# Altium PCB USBC_PD_Development_PCB.PcbDoc (part 2 of 3) (continued)
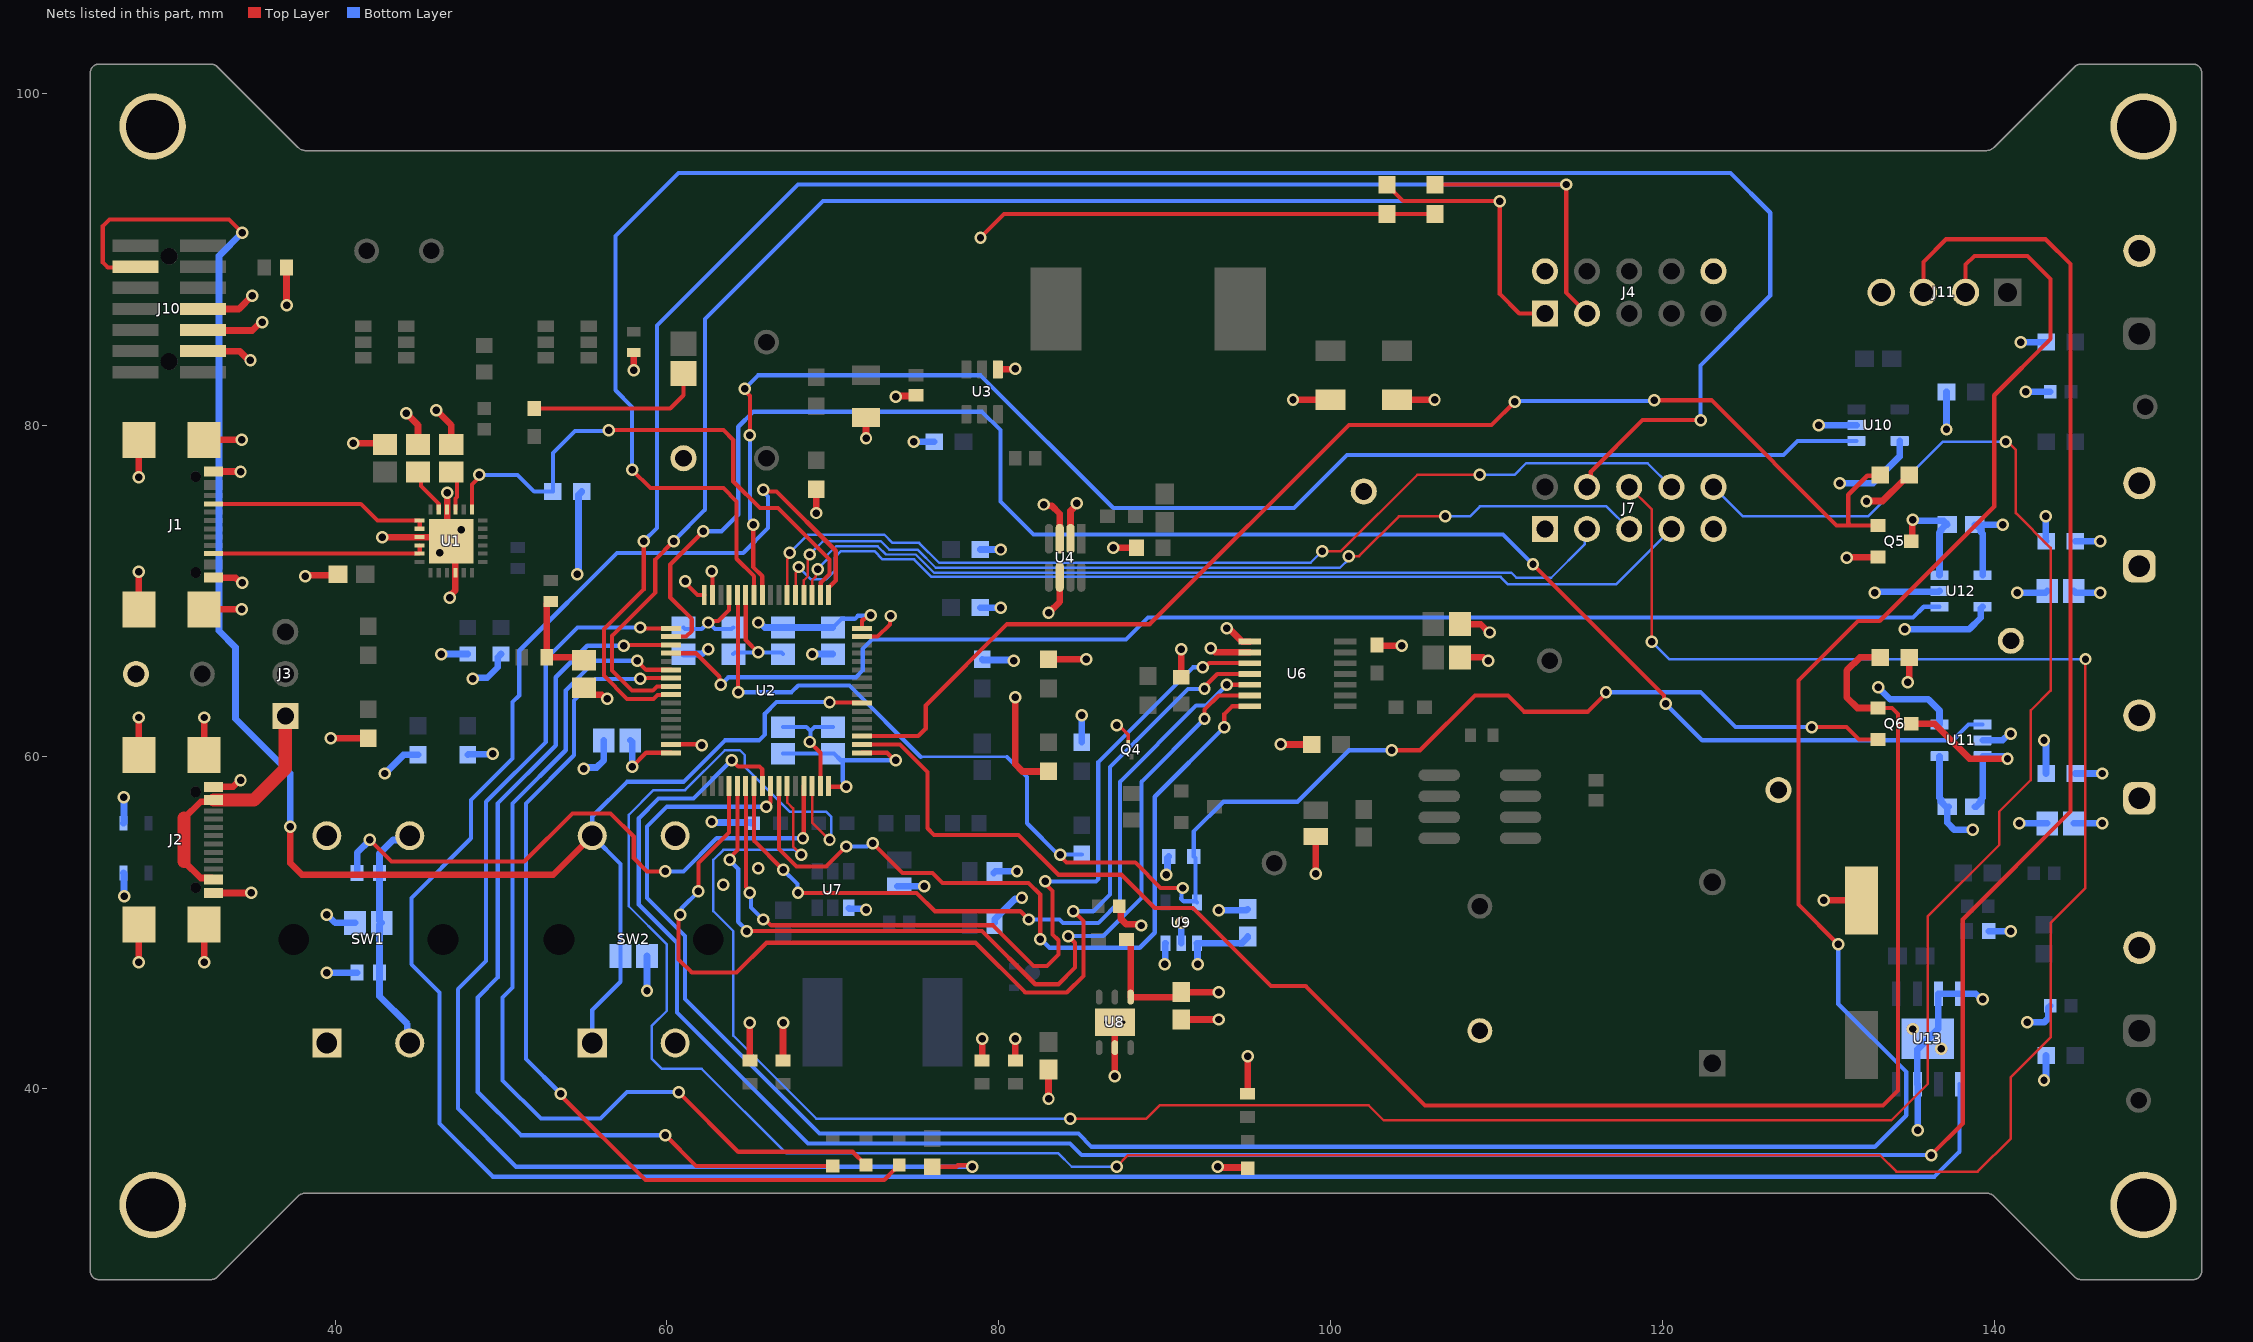
[diagram p4: the nets of this part, all layers, seen from the top]
## Part data (continued)
U4: library part CMP-09083-000073-1, "IC DGT POT 50KOHM 256TAP SOT23-8", Case/Package=SOT-23, Frequency=400kHz, Max Operating Temperature=125°C, Max Supply Current=3uA, Max Supply Voltage=5.5V, Min Operating Temperature=-40°C, Min Supply Voltage=2.7V, Package Quantity=3000, Resistance=50kR, Resistance Tolerance=30%, Temperature Coefficient=35ppm/°C, -3db Bandwidth=1.2MHz, Contact Plating=Gold, Interface=I2C, Lead Free="Contains Lead", Memory Type=Volatile, Mount="Surface Mount", Nominal Supply Current=3uA, Number of Circuits=1, Number of Elements=1, Number of Pins=8, Number of Positions=256, Number of Taps=256, Operating Supply Current=3uA, Operating Supply Voltage=5.5V, Packaging="Tape and Reel", Quiescent Current=3uA, Radiation Hardening=No, REACH SVHC="No SVHC", RoHS Compliant=Yes, Series=-, Supply Current=3uA, Taper=Linear, Tolerance=30%
U5: library part CMP-0241-00013-1, "DC/DC converter control circuit, 8-Pin SO, Tape and Reel", Code_IPC=SOIC127P600-8, Code_JEDEC=MS-012-AA, ComponentLink1Description="Manufacturer URL", ComponentLink1URL=http://www.st.com, ComponentLink2Description=Datasheet, ComponentLink2URL=http://www.st.com/internet/com/TECHNICAL_RESOURCES/TECHNICAL_LITERATURE/DATASHEET/CD00001232.pdf, ComponentLink3Description="Package Specification", ComponentLink3URL=http://www.st.com/internet/com/TECHNICAL_RESOURCES/TECHNICAL_LITERATURE/PACKAGE_INFORMATION/CD00004680.pdf, DatasheetVersion=Nov-2007, PackageDescription="8-Pin Small Outline Integrated Circuit 1.27 mm Pitch", PackageReference=SO8, PackageVersion=Dec-2002
U6: "256-/1024-Position, Digital Potentiometers with Maximum Â±1% R-Tolerance Error and 20-TP Memory", Manufacturer_Name="Analog Devices Inc", Copyright="Copyright (C) 2026 Ultra Librarian. All rights reserved.", Datasheet=https://www.analog.com/media/en/technical-documentation/data-sheets/AD5291_5292.pdf, Manufacturer_Part_Number=AD5292BRUZ-50-RL7, RefDes=RefDes, Type="Data Acquisition"
U7: library part CMP-12757-000010-1, "IC REG BUCK ADJUSTABLE 2A TSOT26", Ambient Temperature Range High=+85°C, Ambient Temperature Range Low=-40°C, Manufacturer="Diodes Inc.", Max Junction Temp=+160°C, Max Supply Voltage=32V, Min Supply Voltage=3.8V, Nominal Supply Current=22uA, Output Current=2A, Package=TSOT26, Switching Frequency=500kHz, Temperature="-40°C to +85°C", Automotive=No, Category=IC, ComponentLink2Description=Datasheet, ComponentLink2URL=https://www.diodes.com/assets/Datasheets/AP63200-AP63201-AP63203-AP63205.pdf, Device Class L1="Integrated Circuits (ICs)", Device Class L2="Power Management ICs", Device Class L3="Voltage Regulators - Switching", Digikey Description="IC REG BUCK ADJUSTABLE 2A TSOT26", Footprint Url=https://www.diodes.com/assets/Package-Files/TSOT26.pdf, Height=1mm, Ipc Land Pattern Name=SOT95P280X100-6, Lead Free=Yes, Manufacturer Part Number=AP63200WU-7, Mouser Description="AP63200 Series 1.2 V 2 A Adjustable Synchronous Buck Converter - TSOT-26", Number Of Outputs=1, Octopart=https://octopart.com/ap63200wu-7-diodes+inc.-98099548, Output Type=AdjustableProgrammable, RoHS=TRUE, Standoff Height=0.01mm, Switching Topology=Buck, Temperature Range High=+85°C, Temperature Range Low=-40°C
U8: library part CMP-0244-00287-1, "1 A Low Quiescent Current Low Noise Voltage Regulator, Adjustable from 0.8V, 6-Pin VFDFPN, Tape and Reel", ComponentLink1Description="Manufacturer URL", ComponentLink1URL=http://www.st.com, ComponentLink2Description=Datasheet, ComponentLink2URL=http://www.st.com/internet/com/TECHNICAL_RESOURCES/TECHNICAL_LITERATURE/DATASHEET/CD00233788.pdf, DatasheetVersion=1/10/2011, PackageDescription="6-Pin Plastic, Dual LLP, 3 x 3 mm Body, 0.95 mm Pitch, Exposed Pad", PackageReference=DFN6D, PackageVersion=2008
U9: library part CMP-0786-00375-1, "Ultralow Noise, 150 mA CMOS Linear Regulator, 2.2 to 5.5 V Vin, 2.5 V Vout, Industrial, 5-pin SOT23 (UJ-5), Reel", Manufacturer="Analog Devices", Preset Vout Values (V)=2.5, Supply Current IGND @ Small Load=10uA, Code_JEDEC=MO-193-AB, ComponentLink1Description="Manufacturer URL", ComponentLink1URL=http://www.analog.com/en/index.html, ComponentLink2Description=Datasheet, ComponentLink2URL=http://www.analog.com/static/imported-files/data_sheets/ADP150.pdf, ComponentLink3Description="Package Specification", ComponentLink3URL=http:/www.analog.com/static/imported-files/packages/PKG_PDF/TSOT(UJ)/UJ_5.pdf, ComponentLink4Description="URL Link1", ComponentLink4URL="Product URL:http://www.analog.com/en/ADP150/productSearch.html", DatasheetVersion="Rev. A", Iout max=150mA, Mounting Technology="Surface Mount", PackageDescription="5-Pin Thin Small Outline Transistor Package, Body 2.9 x 1.6 mm, Pitch 0.95 mm", PackageReference=UJ-5, PackageVersion="100708-A, 10/2008", Packing=Reel, PartNumber=ADP150AUJZ-2.5-R7, Vin (max) (V)=5.5, Vin (min) (V)=2.2
U10 U11 U12: library part CMP-04895-000287-1, "IC CURR SENSE 1 CIRCUIT SOT23-5", Case/Package=SOT-23-5, Input Bias Current=100nA, Input Offset Voltage (Vos)=100uV, Max Operating Temperature=125°C, Min Operating Temperature=-40°C, Operating Supply Current=260uA, -3db Bandwidth=350kHz, Mount="Surface Mount", Number of Circuits=1, Packaging="Tape and Reel", RoHS Compliant=Yes, Slew Rate=2V/µs
U13: "-20V to +75V Input Range, Precision Uni-/Bidirectional, Current-Sense Amplifiers", Manufacturer_Name="Analog Devices / Maxim Integrated", Copyright="Copyright (C) 2026 Ultra Librarian. All rights reserved.", Manufacturer_Part_Number=MAX9919NASA+T, RefDes=RefDes, Type=Type

## Via types
v1: diameter 0.75, hole 0.45, Top Layer to Bottom Layer, tented both sides, 301 vias
v2: diameter 0.5, hole 0.2, Top Layer to Bottom Layer, 2 vias
v3: diameter 0.75, hole 0.45, Top Layer to Bottom Layer, tented bottom, 2 vias

## Nets (pads, with @x,y where several pads share a name; then routed paths per layer and width w, separated by ;. In a path a pad name is that pad's centre, name@x,y a point inside that pad or via, vN(x,y) a via of type N, cw(c..) or ccw(c..) an arc to the next point about the centre after c; other vN are vias at no path point)
1V2_CTRLR: C4.1 U1.21 | length 2.5
  Top Layer w0.25: C4.1@47,77.175 47.35,76.825 47.35,75.672 47.25,75.572 U1.21@47.25,74.9
2V5_EXT_EN: Q6.1 R41.1 U2.2 | length 104
  Top Layer w0.25: U2.2@71.75,60.75 74.05,60.75 75.7,59.1 75.7,55.7 76.1,55.3 81.2,55.3 83.6,52.9 87.4,52.9 89.4,50.9 91.7,50.9 96.4,46.2 98.5,46.2 105.7,39 133.3,39 134.2,39.9 134.2,62.578 133.828,62.95 Q6.1@133,62.95
  Top Layer w0.4: Q6.1@133,62.95 131.75,62.95 131.1,63.6 131.1,65.2 131.9,66 R41.1@133.123,66
2V7_CTRLR: C5.1 U1.23 | length 2.8
  Top Layer w0.25: C5.1@45,77.175 45.179,76.996 45.179,76.321 46.25,75.25 U1.23@46.25,74.9
3V3_EXT_EN: Q5.1 R40.1 U2.3 | length 77.9
  Top Layer w0.25: U2.3@71.75,61.25 75.15,61.25 75.6,61.7 75.6,63.1 80.5,68 89.1,68 101.1,80 109.7,80 v1(111.1,81.4) ; v1(119.5,81.5) 122.95,81.5 130.5,73.95 131.346,73.95 ; Q5.1@133,73.95 131.346,73.95 ; R40.1@133.123,77 133.068,76.945 132.345,76.945 131.2,75.8 131.2,74.096 131.346,73.95
  Bottom Layer w0.25: v1(111.1,81.4) 111.15,81.45 119.45,81.45 v1(119.5,81.5)
+2v5: C34.1 Q6.2 R49.2 U2.28 U9.5 | length 93.6
  Top Layer w0.25: U2.28@64.25,69.75 64.275,69.725 64.275,63.925 v1(64.3,63.9) ; v1(83.7,54.1) 83.7,54.005 84.079,53.626 88.231,53.626 89.757,52.1 v1(91.1,52.1) ; v1(103.7,60.4) 105.4,60.4 108.7,63.7 110.689,63.7 111.664,62.725 115.504,62.725 116.6,63.821 v1(116.6,63.9) ; v1(129,61.8) 131.1,61.8 131.85,61.05 Q6.2@133,61.05
  Bottom Layer w0.15: 75.3,60 80.5,60
  Bottom Layer w0.25: v1(64.3,63.9) 67.518,63.9 67.918,64.3 71,64.3 75.3,60 ; 80.5,60 81.7,58.8 81.7,56 83.577,54.123 v1@83.7,54.123 ; v1(83.7,54.1) 83.723,54.123 R49.2@85,54.123 ; v1(91.1,52.1) 91.004,52.004 91.004,51.511 91,51.507 91,51.446 91.146,51.3 91.875,51.3 U9.5@91.95,51.225 ; U9.5@91.85,51.325 91.85,53.9 C34.1@91.75,54 91.75,55.5 93.55,57.3 98,57.3 101.1,60.4 v1(103.7,60.4) ; v1(116.6,63.9) 122.3,63.9 124.4,61.8 v1(129,61.8)
+2v5_EXT: C37.2 J8.1 R43.1 R64.2 U11.4 | length 9.4
  Bottom Layer w0.4: U11.4@136.7,60.05 136.7,57.54 136.794,57.446 136.794,57.306 137.1,57 R64.2@137.246,57 ; R64.2@137.173,57 137.173,56.034 137.607,55.6 v1(138.7,55.6) ; C37.2@144.8,56 v1(146.5,56) ; R43.1@144.877,59 v1(146.5,59)
+2v5_OUT: Q6.3 R64.1 U11.3 | length 11.5
  Top Layer w0.4: Q6.3@135,62 136.4,62 138.5,59.9 v1(140.8,59.9)
  Bottom Layer w0.4: R64.1@138.827,57 138.9,57 139.206,57.306 139.206,57.446 139.3,57.54 U11.3@139.3,60.05 140.555,60.05 140.705,59.9 v1(140.8,59.9)
+3v3: C6.2 C7.2 C8.2 C9.2 C10.2 C11.2 C12.2 C32.1 C33.1 J7.1 J10.3 Q5.2 R12.2 R13.2 R14.2 R15.2 R16.2 R17.2 R18.2 R19.2 R20.2 R25.2 R35.2 R36.2 R40.2 R41.2 R48.2 R69.2 R70.2 SW1.1 SW1.2 U2.1 U2.16 U2.29 U2.32 U2.48 U2.64 U4.2 U6.8 U8.4 U9.1 U9.3 U10.5 U11.5 U12.5 | length 133
  Top Layer w0.25: v1(57.9,59.4) 58.75,60.25 U2.48@60.25,60.25 ; v1(61.1,70.6) 61.1,70.5 61.85,69.75 U2.32@62.25,69.75 ; v1(62.5,68.1) 62.596,68.196 63.096,68.196 63.75,68.85 U2.29@63.75,69.75 ; U2.64@69.75,58.25 69.75,58.225 69.775,58.2 v1(70.8,58.2) ; U2.1@71.75,60.25 73.255,60.25 73.705,59.8 v1(73.8,59.8) ; U2.16@71.75,67.75 71.75,68.223 71.802,68.275 71.888,68.275 72.139,68.526 v1(72.274,68.526) ; v1(78.9,91.3) 80.323,92.723 R69.2@103.4,92.723 R70.2@106.3,92.723
  Top Layer w0.4: J10.3@32.84,84.46 34.245,84.46 34.805,83.9 v1(34.9,83.9) ; R19.2@65,41.7 v1(65,43.965) ; R17.2@67,41.7 v1(67,43.965) ; R18.2@79,41.7 v1(79,43) ; R20.2@81,41.7 v1(81,43) ; v1(81,63.6) 81,59.558 81.434,59.123 R48.2@83,59.123 ; U4.2@84.325,73.15 84.325,74.83 84.7,75.205 v1(84.7,75.3) ; R36.2@87.7,49 87.75,49 87.95,48.8 U8.4@87.95,45.525 90.699,45.525 C32.1@91,45.826 v1(93.265,45.826) ; v1(93.75,67.75) 93.817,67.683 93.936,67.683 94.669,66.95 U6.8@95.122,66.95 ; R35.2@95,39.7 v1(95,41.965) ; v1(97,60.75) R25.2@98.873,60.75 ; v1(131.1,72) 131.125,72.025 132.975,72.025 Q5.2@133,72.05 ; v1(132.3,75.4) 132.322,75.422 133.275,75.422 134.547,76.694 134.571,76.694 R40.2@134.877,77 ; v1(134.8,64.5) 134.867,64.567 134.867,64.862 134.877,64.871 R41.2@134.877,66
  Bottom Layer w0.25: C11.2@61,67.8 61.1,67.7 62.1,67.7 v1(62.5,68.1) 62.9,67.7 63.9,67.7 C10.2@64,67.8 ; C6.2@67,60.2 C7.2@70,60.2 70.075,60.2 C7.2@70.475,59.8 ; C8.2@70,67.8 70.525,68.325 71.325,68.325 71.504,68.504 72.253,68.504 v1(72.274,68.526) ; v1(70.8,58.2) 70.8,58.335 70.6,58.535 70.6,59.675 C7.2@70.475,59.8 ; v1(73.8,59.8) C7.2@70.475,59.8
  Bottom Layer w0.4: v1(43,59) 44.123,60.123 R15.2@45,60.123 ; R16.2@48,60.123 48.038,60.162 49.462,60.162 v1(49.5,60.2) ; v1(54.6,71) 54.667,71.067 54.667,75.79 R12.2@54.877,76 ; C12.2@57.8,61 57.9,60.9 v1(57.9,59.4) ; v1(65.5,68.1) 65.595,68.1 65.895,67.8 C9.2@67,67.8 C8.2@70,67.8 ; R13.2@78.877,69 v1(80.125,69) ; R14.2@78.877,72.5 v1(80.125,72.5) ; v1(90,47.5) 90.025,47.525 90.025,48.75 U9.3@90.05,48.775 ; v1(92,47.5) 91.975,47.525 91.975,48.75 U9.1@91.95,48.775 94.666,48.775 95,49.109 C33.1@95,49.174 ; v1(130.7,76.5) 132.7,76.5 134.3,78.1 U10.5@134.3,79.05 ; v1(133,64.2) 133.733,63.467 136.033,63.467 136.7,62.8 U11.5@136.7,61.95 ; v1(134.6,67.7) 138.5,67.7 139.184,68.384 139.184,68.95 139.284,69.05 U12.5@139.3,69.05
+3v3_EXT: C38.2 J9.1 R42.1 R65.2 U12.4 | length 8.1
  Bottom Layer w0.4: U12.4@139.3,70.95 139.3,73.46 139.206,73.554 139.206,73.694 138.9,74 R65.2@138.827,74 v1(140.5,74) ; C38.2@144.8,70 144.9,69.9 v1(146.4,69.9) ; R42.1@144.877,73 v1(146.4,73)
+3v3_OUT: Q5.3 R65.1 U12.3 | length 6.8
  Top Layer w0.4: Q5.3@135,73 135.05,73.05 135.05,74.25 v1(135.1,74.3)
  Bottom Layer w0.4: v1(135.1,74.3) 135.167,74.233 136.94,74.233 R65.1@137.173,74 137.1,74 136.794,73.694 136.794,73.621 136.7,73.527 U12.3@136.7,70.95
ALERT_N: R12.1 U1.19 U2.18 | length 33.8
  Top Layer w0.25: U1.19@48.25,74.9 48.25,76.415 48.7,76.865 v1(48.7,77) ; v1(56.5,79.7) 63.4,79.7 64,79.1 64,76.6 65.6,75 66.7,75 69.8,71.9 69.8,71.031 69.275,70.506 69.275,69.775 U2.18@69.25,69.75
  Bottom Layer w0.25: v1(48.7,77) 51,77 52,76 R12.1@53.123,76 53.123,78.323 54.45,79.65 56.45,79.65 v1(56.5,79.7)
BOOT0: R21.2 U2.61 | length 36.4
  Top Layer w0.25: v1(42.1,55) 43.4,53.7 51.4,53.7 54.3,56.6 56.6,56.6 58,55.2 58,53.9 58.8,53.1 v1(59.9,53.1) ; v1(68.2,55.1) 68.25,55.15 U2.61@68.25,58.25
  Bottom Layer w0.25: v1(59.9,53.1) 61,53.1 63,55.1 v1(68.2,55.1)
  Bottom Layer w0.4: R21.2@41.325,53 41.325,54.225 v1(42.1,55)
CC1: J1.A5 U1.1 U1.2 | length 13.3
  Top Layer w0.25: J1.A5@32.68,75.25 41.55,75.25 42.55,74.25 U1.1@45.1,74.25 U1.2@45.1,73.75
CC2: J1.B5 U1.4 U1.5 | length 12.9
  Top Layer w0.25: J1.B5@32.68,72.25 U1.5@45.1,72.25 U1.4@45.1,72.75
DEBUG_VIN: J2.A4-B9 J2.B4-A9 J3.1 | length 15.3
  Top Layer w0.4: 30.9,53.7 31.9,52.7 32.58,52.7 J2.B4-A9@32.68,52.6 ; 30.9,56.301 31.899,57.3 32.58,57.3 J2.A4-B9@32.68,57.4
  Top Layer w0.8: 30.9,53.7 30.9,56.301 ; J2.A4-B9@32.68,57.4 35.1,57.4 37,59.3 J3.1@37,62.46
EXT_GPIO_0: J7.3 U2.19 | length 51.3
  Top Layer w0.15: U2.19@68.75,69.75 68.75,70.65 68.976,70.876 68.976,71.213 v1(69.081,71.319)
  Bottom Layer w0.15: v1(69.081,71.319) 69.655,71.893 69.655,72.155 70.2,72.7 72.7,72.7 73.2,72.2 75,72.2 76.1,71.1 110.9,71.1 111.2,70.8 113.3,70.8 115.308,72.808 115.308,73.578 J7.3@115.46,73.73
EXT_GPIO_1: J7.5 U2.20 | length 55.2
  Top Layer w0.15: U2.20@68.25,69.75 68.25,70.65 68.485,70.885 68.485,72.085 v1(68.6,72.2) ; v1(101.1,72.1) 101.722,72.1 104.122,74.5 v1(106.9,74.5)
  Bottom Layer w0.15: v1(68.6,72.2) 69.4,73 72.9,73 73.4,72.5 75.1,72.5 76.2,71.4 100.562,71.4 101.1,71.938 v1(101.1,72.1) ; v1(106.9,74.5) 108.4,74.5 109,75.1 116.63,75.1 J7.5@118,73.73
EXT_GPIO_2: J7.7 U2.21 | length 58.1
  Top Layer w0.15: U2.21@67.75,69.75 67.75,71.099 67.934,71.283 v1(67.934,71.446)
  Bottom Layer w0.15: v1(67.934,71.446) 68.68,70.7 69.6,70.7 70.1,71.2 70.1,72 70.5,72.4 72.5,72.4 73,71.9 74.9,71.9 75.95,70.85 110.25,70.85 110.7,70.4 117.21,70.4 J7.7@120.54,73.73
EXT_GPIO_3: J7.4 U2.26 | length 123
  Top Layer w0.25: v1(57.9,77.3) 59,76.2 63.4,76.2 64.2,75.4 64.2,71.943 65.25,70.893 U2.26@65.25,69.75 ; J7.4@115.46,76.27 115.685,76.495 115.685,77.185 118.8,80.3 v1(122.3,80.3)
  Bottom Layer w0.25: v1(57.9,77.3) 57.9,81.1 56.9,82.1 56.9,91.4 60.7,95.2 124.1,95.2 126.5,92.8 126.5,87.8 122.3,83.6 v1(122.3,80.3)
EXT_GPIO_4: J7.6 U2.62 | length 190.4
  Top Layer w0.15: U2.62@68.75,58.25 68.75,56.05 v1(69.8,55) ; v1(87.1,35.3) 87.8,36 133.1,36 134.1,35 139,35 141,37 141,40.7 143.4,43.1 143.4,50 145.5,52.1 v1(145.5,65.9) ; J7.6@118,76.27 119.368,74.902 v1(119.368,66.932)
  Bottom Layer w0.15: v1(69.8,55) 69.915,55.115 69.915,56.385 69.6,56.7 67.4,56.7 66.3,57.8 64.7,59.4 64.7,60.1 64.4,60.4 63.5,60.4 61.1,58 59.2,58 57.7,56.5 57.7,51 60,48.7 60,44.7 59.1,43.8 59.1,41.8 59.7,41.2 62.1,41.2 67.2,36.1 83.6,36.1 84.4,35.3 v1(87.1,35.3) ; v1(119.368,66.932) 120.4,65.9 v1(145.5,65.9)
EXT_GPIO_5: J7.8 U2.22 | length 60
  Top Layer w0.15: U2.22@67.25,69.75 67.25,71.621 67.25,71.908 67.285,71.943 67.285,72.181 v1(67.4,72.296) ; v1(99.5,72.4) 100.622,72.4 105.222,77 v1(109,77)
  Bottom Layer w0.15: v1(67.4,72.296) 68.504,73.4 73.1,73.4 73.6,72.9 75.2,72.9 76.4,71.7 98.8,71.7 v1(99.5,72.4) ; v1(109,77) 111.081,77 111.781,77.7 119.11,77.7 J7.8@120.54,76.27
EXT_GPIO_6: J7.10 U2.59 | length 160.1
  Top Layer w0.15: U2.59@67.25,58.25 67.25,57.25 67.6,56.9 67.6,54.6 v1(68.1,54.1) ; v1(84.3,38.2) 88.9,38.2 89.7,39 102.3,39 103.2,38.1 133.8,38.1 136,40.3 136,50.4 140.3,54.7 140.3,56.7 142.2,58.6 142.2,62.8 143.4,64 143.4,72.6 141.3,74.7 141.3,78.5 140.8,79 v1(140.7,79)
  Bottom Layer w0.15: v1(68.1,54.1) 68.012,54.1 67.712,54.4 63.4,54.4 62.8,53.8 62.8,50.7 64,49.5 64,43.2 69,38.2 v1(84.3,38.2) ; J7.10@123.08,76.27 124.85,74.5 132.4,74.5 136.9,79 v1(140.7,79)
GND: C2.2 C3.2 C4.2 C5.2 C6.1 C7.1 C8.1 C9.1 C10.1 C11.1 C12.1 C13.1 C14.1 C16.2 C17.2 C18.2 C19.2 C22.2 C23.2 C24.1 C25.1 C27.2 C28.2 C29.2 C31.2 C32.2 C33.2 C34.2 C35.2 C36.2 C37.1 C38.1 D1.2 D8.1 J1.1 J1.2 J1.3 J1.4 J1.A1-B12 J1.B1-A12 J2.1 J2.2 J2.3 J2.4 J2.A1-B12 J2.B1-A12 J4.2 J4.10 J5.2 J6.2 J7.9 J8.2 J9.2 J10.5 J10.7 J11.4 J12.1 J13.1 J14.1 J15.1 J16.1 L2.2 M1.M M2.M M3.M M4.M Q4.2 R6.2 R8.1 R9.1 R10.2 R11.2 R22.1 R23.1 R24.1 R30.1 R34.2 R37.2 R38.2 R39.2 R42.2 R43.2 R44.2 R54.1 R55.1 R56.1 R57.1 R58.1 R59.1 R60.1 R68.2 SW2.3 SW2.4 U1.3 U1.10 U1.22 U1.25 U2.15 U2.27 U2.31 U2.47 U2.63 U3.1 U4.3 U4.6 U6.9 U7.4 U8.2 U8.7 U9.2 U10.2 U11.2 U12.2 U13.3 U13.4 U13.7 U13.EPAD | length 195.5
  Top Layer w0.2: v1(87.1,61.9) 87.24,61.9 87.81,61.33 Q4.2@87.81,60.86
  Top Layer w0.25: U2.47@60.25,60.75 60.261,60.761 62.039,60.761 v1(62.1,60.7) ; v1(62.7,71.2) 62.75,71.15 U2.31@62.75,69.75 ; U2.27@64.75,69.75 64.75,67.05 v1(65.5,66.3) ; v1(68.6,60.9) 69.25,60.25 U2.63@69.25,58.25 ; U2.15@71.75,67.25 72.58,67.25 72.698,67.25 73.439,67.991 73.439,68.437 v1(73.496,68.494)
  Top Layer w0.4: v1(28.175,47.625) J2.4@28.175,49.89 ; J2.3@28.175,60.11 v1(28.175,62.375) ; J1.4@28.175,68.89 v1(28.175,71.155) ; v1(28.175,76.845) J1.3@28.175,79.11 ; v1(32.105,47.625) J2.2@32.105,49.89 ; J2.1@32.105,60.11 v1(32.105,62.375) ; J1.2@32.105,68.89 v1(34.37,68.89) ; J1.1@32.105,79.11 v1(34.37,79.11) ; J2.B1-A12@32.68,51.8 v1(34.945,51.8) ; J2.A1-B12@32.68,58.2 33.855,58.2 34.255,58.6 v1(34.3,58.6) ; J1.B1-A12@32.68,70.8 34.005,70.8 34.305,70.5 v1(34.4,70.5) ; J1.A1-B12@32.68,77.2 v1(34.3,77.2) ; J10.5@32.9,85.7 35.005,85.7 35.505,86.2 v1(35.6,86.2) ; J10.7@32.9,87 34.2,87 v1(35,87.8) ; v1(37.075,87.235) R44.2@37.075,89.5 ; v1(38.2,70.9) 38.25,70.95 40.135,70.95 R6.2@40.185,71 ; v1(39.735,61.123) R55.1@42,61.123 ; v1(41.1,78.9) 42.925,78.9 C3.2@43,78.825 ; v1(42.835,73.25) U1.3@45.1,73.25 U1.25@46.75,73.25 ; v1(44.3,80.7) 45,80 C5.2@45,78.825 ; v1(46.1,80.9) 47,80 C4.2@47,78.825 ; v1(46.75,75.921) U1.22@46.75,74.9 U1.25@46.75,73.25 ; v1(46.9,69.6) 46.9,69.695 47.25,70.045 U1.10@47.25,71.1 47.25,72.75 U1.25@47,73 U1.25@46.75,73.25 ; C2.2@55,64.2 55.45,63.75 56.055,63.75 56.305,63.5 v1(56.4,63.5) ; v1(58,83.3) D1.2@58,84.375 ; v1(69,74.7) R56.1@69,76.123 ; v1(72,79.2) C18.2@72,80.448 ; v1(73.8,81.7) 73.85,81.75 74.95,81.75 C19.2@75,81.8 ; U3.1@79.95,83.35 79.975,83.375 80.975,83.375 v1(81,83.4) ; v1(82.712,75.212) 82.779,75.145 83.183,75.145 83.675,74.653 U4.3@83.675,73.15 ; v1(83,39.4) C31.2@83,41.174 ; R57.1@83,65.877 v1(85.265,65.877) ; v1(83,68.7) 83.028,68.7 83.675,69.347 U4.6@83.675,70.85 ; v1(86.9,72.6) R23.1@88.3,72.6 ; v1(87,40.75) U8.2@87,42.475 U8.7@87,44 ; R37.2@87.254,51 87.344,50.91 87.344,50.256 87.694,49.906 88.533,49.906 v1(88.6,49.839) ; C32.2@91,44.174 v1(93.265,44.174) ; R30.1@91,64.8 v1(91,66.5) ; v1(92.77,66.537) 92.808,66.537 93.045,66.3 U6.9@95.122,66.3 ; v1(93.2,35.3) 93.25,35.25 94.95,35.25 D8.1@95,35.2 ; v1(97.735,81.525) C16.2@100,81.525 ; v1(99.1,52.945) C22.2@99.1,55.21 ; R68.2@102.8,66.75 102.85,66.7 v1(104.3,66.7) ; C17.2@104,81.525 v1(106.265,81.525) ; C24.1@107.8,66 109.205,66 109.405,65.8 v1(109.5,65.8) ; C25.1@107.8,68 109.05,68 109.55,67.5 v1(109.6,67.5) ; v1(129.735,51.35) C23.2@132,51.35
  Bottom Layer w0.25: C10.1@64,66.2 64.1,66.3 66.9,66.3 C9.1@67,66.2 ; C6.1@67,61.8 68.4,61.8 68.646,61.554 ; v1(68.6,60.9) 68.646,60.946 68.646,61.554 ; C7.1@70,61.8 68.892,61.8 68.646,61.554
  Bottom Layer w0.4: R11.2@27.25,53 27.275,52.975 27.275,51.625 v1(27.3,51.6) ; R10.2@27.25,56 27.275,56.025 v1(27.275,57.575) ; v1(39.5,47) R22.1@41.325,47 ; v1(39.5,50.5) 40,50 C14.1@41.2,50 ; v1(46.4,66.2) R8.1@48,66.2 ; v1(48.3,64.7) 48.367,64.767 49.167,64.767 49.801,65.401 49.801,66.001 R9.1@50,66.2 ; v1(55,59.3) 55.06,59.36 55.76,59.36 56.2,59.8 C12.1@56.2,61 ; v1(58.8,45.9) C13.1@58.8,48 ; C11.1@61,66.2 62.105,66.2 62.405,66.5 v1(62.5,66.5) ; v1(62.7,56.1) 62.75,56.05 65.05,56.05 R34.2@65.1,56 ; v1(68.752,66.2) C8.1@70,66.2 ; U7.4@70.975,50.875 71,50.85 71.95,50.85 v1(72,50.8) ; C27.2@73.9,52.2 73.905,52.205 75.495,52.205 v1(75.5,52.2) ; v1(74.875,79) R24.1@76.123,79 ; R60.1@79,65.877 79.038,65.838 80.862,65.838 v1(80.9,65.8) ; C29.2@79.7,53 79.8,53.1 v1(81.1,53.1) ; C28.2@79.75,50 79.75,50.2 80.983,51.433 81.333,51.433 v1(81.4,51.5) ; R58.1@85,60.877 v1(85,62.5) ; v1(90.1,52.9) 90.167,52.967 90.167,53.917 C34.2@90.25,54 ; U9.2@91,48.775 v1(91,50) ; v1(93.25,50.75) 94.924,50.75 C33.2@95,50.826 ; v1(129.435,80) U10.2@131.7,80 ; v1(132.8,69.9) 132.85,69.95 136.65,69.95 U12.2@136.7,70 ; v1(135.4,37.5) 135.383,37.518 135.383,40.258 U13.7@135.365,40.276 135.365,42.365 U13.EPAD@136,43 136.635,43.635 U13.3@136.635,45.724 U13.4@137.905,45.724 138.881,45.724 139.205,45.4 v1(139.3,45.4) ; v1(137.123,79.735) R59.1@137.123,82 ; U11.2@139.3,61 140.505,61 140.905,61.4 v1(141,61.4) ; R54.1@139.675,49.5 v1(141,49.5) ; v1(141.4,69.9) 143.1,69.9 C38.1@143.2,70 ; v1(141.5,56) C37.1@143.2,56 ; v1(141.6,85) R39.2@143.123,85 ; v1(141.9,82) C36.2@143.373,82 ; v1(142,44) 143,44 143.27,44.27 143.27,44.897 C35.2@143.373,45 ; v1(143,40.5) 143,40.595 143.123,40.718 R38.2@143.123,42 ; v1(143,61) 143,60.905 143.123,60.782 R43.2@143.123,59 ; v1(143.1,74.5) 143.112,74.488 143.112,73.012 R42.2@143.123,73
  other v1: 136.8,42.4 135.1,43.6 63.4,52.3 65.5,53.3
  other v2: 86.45,44 87.55,44
  other v3: 46.3,72.3 47.6,73.7
HMI_UART_RX: J11.2 U2.57 | length 166.2
  Top Layer w0.25: v1(66,57) 66.25,57.25 U2.57@66.25,58.25 ; v1(130.6,48.7) 128.2,51.1 128.2,64.6 131.8,68.2 133.1,68.2 140,75.1 140,81.8 143.4,85.2 143.4,88.8 142,90.2 138.8,90.2 138.27,89.67 J11.2@138.27,88
  Bottom Layer w0.25: v1(66,57) 60,57 58.8,55.8 58.8,51.5 61.1,49.2 61.1,45.4 69.2,37.3 84.8,37.3 85.6,36.5 132.8,36.5 134.7,38.4 134.7,41 130.6,45.1 v1(130.6,48.7)
HMI_UART_TX: J11.3 U2.56 | length 171
  Top Layer w0.25: v1(63.9,59.8) 63.927,59.8 64.296,59.43 65.573,59.43 65.75,59.254 U2.56@65.75,58.25 ; J11.3@135.73,88 135.73,89.83 137.1,91.2 143.1,91.2 144.6,89.7 144.6,56.7 138.1,50.2 138.1,37.9 v1(136.2,36)
  Bottom Layer w0.25: v1(63.9,59.8) 61.6,57.5 59.5,57.5 58.3,56.3 58.3,51.1 60.6,48.8 60.6,44.6 68.5,36.7 84.3,36.7 85,36 v1(136.2,36)
I2C_SCL_EXT: J4.3 R70.1 U2.41 | length 101.7
  Top Layer w0.25: v1(58.6,73) 58.6,70.1 56.2,67.7 56.2,64.9 57.6,63.5 59.2,63.5 59.425,63.725 60.225,63.725 U2.41@60.25,63.75 ; R70.1@106.3,94.477 106.323,94.5 v1(114.2,94.5) 114.2,87.99 J4.3@115.46,86.73
  Bottom Layer w0.25: v1(58.6,73) 59.4,73.8 59.4,86 67.9,94.5 v1(114.2,94.5)
I2C_SDA_EXT: J4.1 R69.1 U2.40 | length 94.5
  Top Layer w0.25: U2.40@60.25,64.25 59.399,64.25 59.149,64 57.9,64 56.7,65.2 56.7,67.3 59.3,69.9 59.3,71.9 v1(60.4,73) ; R69.1@103.4,94.477 103.4,94.453 103.781,94.072 103.804,94.072 104.377,93.5 v1(110.2,93.5) 110.2,87.9 111.37,86.73 J4.1@112.92,86.73
  Bottom Layer w0.25: v1(60.4,73) 62.3,74.9 62.3,86.4 69.4,93.5 v1(110.2,93.5)
IOUT_2v5: U2.34 U11.1 | length 103.3
  Top Layer w0.25: U2.34@60.25,67.25 61.15,67.25 61.5,67.6 61.5,68.3 60.2,69.6 60.2,71.6 v1(62.2,73.6) ; v1(112.2,71.6) 120.104,63.696 120.104,63.296 v1(120.2,63.2)
  Bottom Layer w0.25: v1(62.2,73.6) 63.3,73.6 64.3,74.6 64.3,79.9 65.2,80.8 79,80.8 80.1,79.7 80.1,75.4 82.1,73.4 110.4,73.4 v1(112.2,71.6) ; v1(120.2,63.2) 122.4,61 137.5,61 138.45,61.95 U11.1@139.3,61.95
IOUT_3v3: U2.36 U12.1 | length 80.2
  Top Layer w0.25: U2.36@60.25,66.25 61.75,66.25 63.17,64.83 63.17,64.411 v1(63.24,64.34)
  Bottom Layer w0.25: v1(63.24,64.34) 63.7,64.8 71.4,64.8 71.8,65.2 71.8,66.5 72.369,67.069 87.669,67.069 89,68.4 135.1,68.4 135.75,69.05 U12.1@136.7,69.05
IOUT_N: U2.17 U13.5 | length 158.8
  Top Layer w0.25: v1(65.8,76.1) 65.896,76.004 66.596,76.004 70.176,72.424 70.176,70.626 69.775,70.225 69.775,69.775 U2.17@69.75,69.75
  Bottom Layer w0.25: v1(65.8,76.1) 65.8,76.004 66.1,75.704 66.1,73.8 64.6,72.3 57,72.3 51.1,66.4 51.1,63.7 50.7,63.3 50.7,59.9 48.2,57.4 48.2,55.1 44.6,51.5 44.6,47.5 46.3,45.8 46.3,37.9 49.5,34.7 136.4,34.7 137.905,36.205 U13.5@137.905,40.276
IOUT_P: U2.25 U10.1 | length 85.2
  Top Layer w0.25: v1(64.7,82.2) 64.7,82.065 65,81.765 v1(65,79.4) ; v1(65.2,73.987) 65.2,71.438 65.75,70.888 U2.25@65.75,69.75
  Bottom Layer w0.25: v1(64.7,82.2) 65.5,83 78.9,83 86.9,75 97.8,75 101,78.2 127.3,78.2 128.15,79.05 U10.1@131.7,79.05 ; v1(65,79.4) 65,74.322 65.2,74.122 v1(65.2,73.987)
LED0: D3.1 U2.38 | length 57.7
  Top Layer w0.25: v1(58.2,65.8) 58.75,65.25 U2.38@60.25,65.25 ; v1(60.7,39.8) 64.3,36.2 71.2,36.2 D3.1@72,35.4
  Bottom Layer w0.25: v1(58.2,65.8) 55.7,65.8 53.9,64 53.9,60.4 50.7,57.2 50.7,46.1 50.1,45.5 50.1,40.5 52.4,38.2 56,38.2 57.6,39.8 v1(60.7,39.8)
LED1: D4.1 U2.39 | length 55.2
  Top Layer w0.25: v1(53.6,39.7) 53.6,39.6 58.7,34.5 73.1,34.5 73.725,35.125 73.75,35.125 74,35.375 D4.1@74,35.4 ; v1(58.4,64.7) 58.45,64.75 U2.39@60.25,64.75
  Bottom Layer w0.25: v1(53.6,39.7) 51.5,41.8 51.5,57.2 54.4,60.1 54.4,63.4 55.7,64.7 v1(58.4,64.7)
LED2: D2.2 U2.35 | length 57.9
  Top Layer w0.25: v1(57.4,66.7) 57.45,66.75 U2.35@60.25,66.75 ; v1(59.9,37.2) 61.75,35.35 D2.2@70,35.35
  Bottom Layer w0.25: v1(57.4,66.7) 55.2,66.7 53.3,64.8 53.3,60.7 49.8,57.2 49.8,46.7 48.6,45.5 48.6,39.8 51.2,37.2 v1(59.9,37.2)
LED3: D5.2 U2.33 | length 72.6
  Top Layer w0.25: v1(58.4,67.8) 58.45,67.75 U2.33@60.25,67.75 ; D5.2@76,35.3 77.439,35.3 77.525,35.386 78.314,35.386 v1(78.4,35.3)
  Bottom Layer w0.25: v1(58.4,67.8) 54.6,67.8 52.7,65.9 52.7,60.9 49.1,57.3 49.1,47.7 47.4,46 47.4,38.8 50.9,35.3 v1(78.4,35.3)
MCU_NRST: C13.2 J10.12 SW2.1 SW2.2 U2.7 | length 107.9
  Top Layer w0.25: J10.12@27.965,89.54 27.925,89.5 26.3,89.5 26,89.8 26,92 26.4,92.4 33.6,92.4 v1(34.4,91.6) ; v1(69.8,63.3) 69.825,63.275 71.725,63.275 U2.7@71.75,63.25
  Top Layer w0.4: v1(37.3,55.8) 37.3,53.6 38,52.9 53.15,52.9 SW2.2@55.5,55.25
  Bottom Layer w0.25: SW2.1@55.5,42.75 55.5,44.75 57.2,46.45 C13.2@57.2,48 57.2,53.55 SW2.2@55.5,55.25 55.5,56.4 57.6,58.5 61,58.5 63.5,61 65.549,61 65.9,61.351 65.9,62.6 66.6,63.3 v1(69.8,63.3)
  Bottom Layer w0.4: v1(34.4,91.6) 33,90.2 33,67.6 34,66.6 34,62.3 37.3,59 v1(37.3,55.8)
NDAC_CLK: U2.52 U6.11 | length 64.1
  Top Layer w0.25: v1(60.8,50.5) 60.704,50.404 60.704,47.796 61.5,47 64.2,47 66,48.8 78.6,48.8 81.6,45.8 84.1,45.8 85.1,46.8 85.1,50.1 v1(84.5,50.7) ; v1(61.9,51.9) 61.9,53.6 63.75,55.45 U2.52@63.75,58.25 ; v1(92.4,64.1) 92.4,64.23 93.17,65 U6.11@95.122,65
  Bottom Layer w0.25: v1(60.8,50.5) 60.896,50.596 60.896,50.896 v1(61.9,51.9) ; v1(84.5,50.7) 85.7,50.7 86.7,51.7 86.7,59.4 91.4,64.1 v1(92.4,64.1)
NDAC_DIN: U2.54 U6.10 | length 54.4
  Top Layer w0.25: U2.54@64.75,58.25 64.775,58.225 64.775,52.16 65,51.935 v1(65,51.8) ; v1(65.8,50.2) 65.935,50.2 66.285,49.85 79.65,49.85 82.1,47.4 82.9,47.4 83.6,48.1 83.6,48.951 83.249,49.302 83.249,51.915 82.8,52.365 v1(82.8,52.5) ; v1(92.3,65.4) 92.435,65.4 92.685,65.65 U6.10@95.122,65.65
  Bottom Layer w0.25: v1(65,51.8) 65.075,51.725 65.075,50.925 v1(65.8,50.2) ; v1(82.8,52.5) 85.854,52.5 86,52.646 86,59.7 91.7,65.4 v1(92.3,65.4)
NDAC_RDY: U2.58 U6.14 | length 48.7
  Top Layer w0.25: U2.58@66.75,58.25 66.75,54.45 67.8,53.4 69.6,53.4 v1(70.8,54.6) ; v1(72.4,54.8) 74.2,53 76,53 76.6,52.4 81.8,52.4 82.5,51.7 v1(82.5,49) ; v1(93.6,61.8) 93.596,61.804 93.596,62.576 94.069,63.05 U6.14@95.122,63.05
  Bottom Layer w0.25: v1(70.8,54.6) 72.065,54.6 72.265,54.8 v1(72.4,54.8) ; v1(82.5,49) 82.561,49 83.061,48.5 88.5,48.5 89.4,49.4 89.4,57.6 v1(93.6,61.8)
NDAC_SDO: U2.53 U6.13 | length 54.3
  Top Layer w0.25: v1(63.8,53.8) 63.8,53.935 64.25,54.385 U2.53@64.25,58.25 ; v1(64.8,49.5) 79,49.5 82.2,46.3 83.6,46.3 84.6,47.3 84.6,48.8 v1(84.2,49.2) ; v1(92.4,62.3) 92.411,62.311 92.411,62.85 93.261,63.7 U6.13@95.122,63.7
  Bottom Layer w0.25: v1(63.8,53.8) 63.8,53.739 64.3,53.239 64.3,50.061 64.8,49.561 v1(64.8,49.5) ; v1(84.2,49.2) 86.3,49.2 88.6,51.5 88.6,58.5 v1(92.4,62.3)
NDAC_SYNC: U2.55 U6.12 | length 45.7
  Top Layer w0.25: U2.55@65.25,58.25 65.25,54.95 v1(67,53.2) ; v1(67.9,51.8) 75.051,51.8 76.151,50.7 81.3,50.7 v1(81.8,50.2) ; v1(93.75,64.35) U6.12@95.122,64.35
  Bottom Layer w0.25: v1(67,53.2) 67.87,52.33 67.87,51.83 v1(67.9,51.8) ; v1(81.8,50.2) 83.668,50.2 83.868,50 86,50 87.3,51.3 87.3,58.5 91.9,63.1 92.5,63.1 v1(93.75,64.35)
NetC1_2: C1.2 R2.1 | length 10.6
  Top Layer w0.25: R2.1@52,81 60.2,81 61,81.8 C1.2@61,83.1
NetC2_1: C2.1 R4.2 R5.1 | length 5.9
  Top Layer w0.4: R4.2@53,69.371 52.901,69.371 52.75,69.22 R5.1@52.75,66 54.825,66 C2.1@55,65.825
NetC14_2: C14.2 R21.1 R22.2 SW1.3 SW1.4 | length 14.6
  Bottom Layer w0.4: SW1.3@44.5,42.75 44.357,42.893 44.357,43.893 42.675,45.575 R22.2@42.675,47 42.675,49.875 C14.2@42.8,50 42.675,50.125 R21.1@42.675,53 42.675,54.175 43.492,54.992 44.242,54.992 SW1.4@44.5,55.25